# Allegro board PSU-C1.brd (continued)
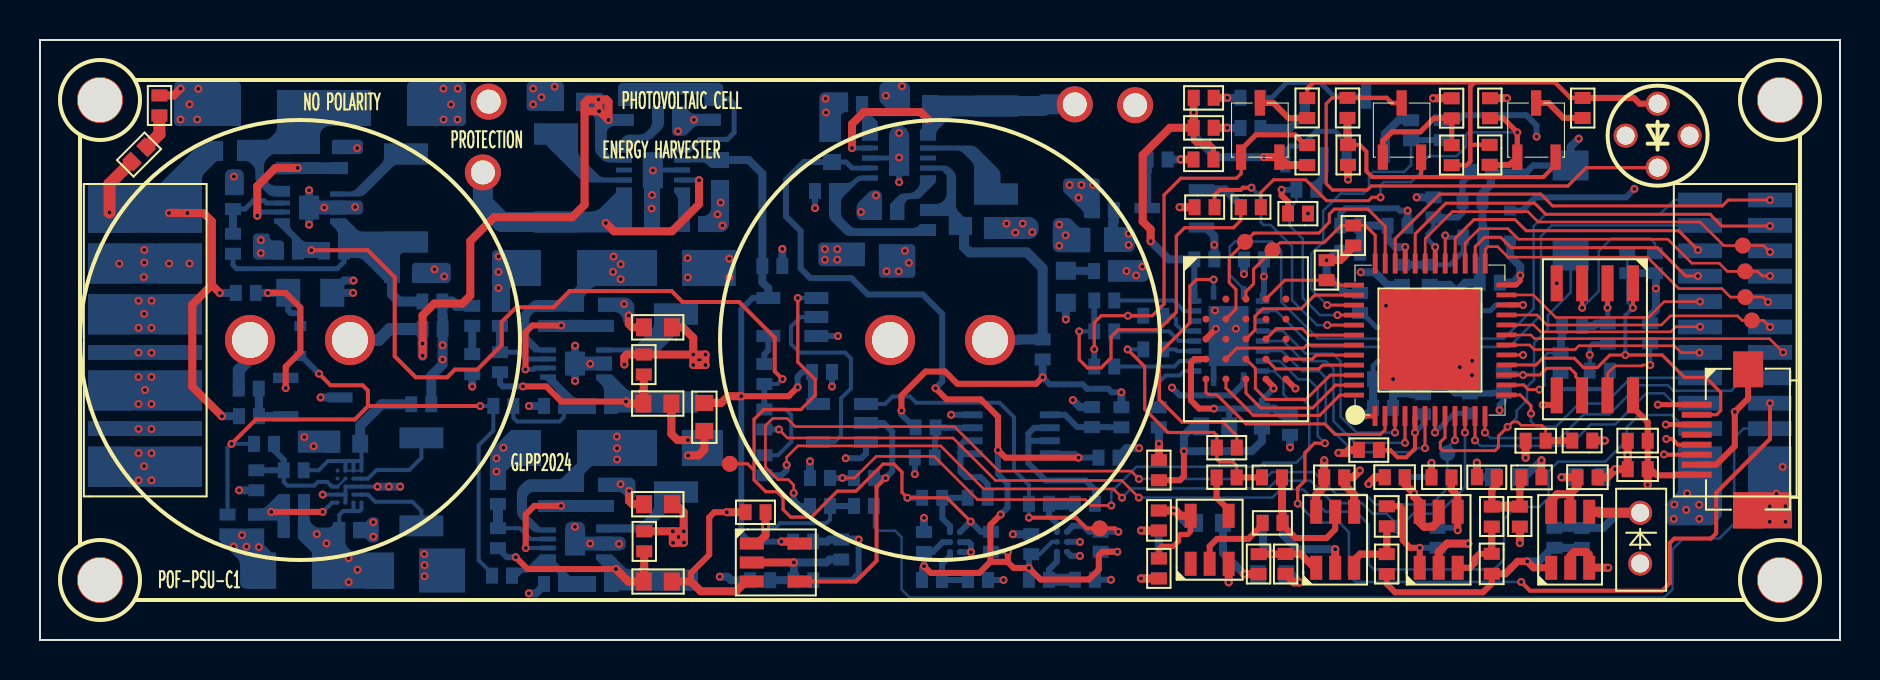
[diagram p0: board, top side]
## Routing (per net, layer and track width the routed paths; a pad name or vN(x,y) marks a point on that pad's centre or on a via; arc(x,y) is an arc through that point) (continued)
RAM_ADQ0: length 7.3
  TOP w0.15: U2.46 64.52,13.25 63.3,12.03 61.32,12.03 60.77,12.57 60.77,13.57 U1.D3
RAM_ADQ1: length 6.7
  TOP w0.15: U1.D2 59.85,14.6 63.19,14.6 63.34,14.75 U2.43
RAM_ADQ2: length 4.8
  TOP w0.15: U2.42 63.43,15.25 63.11,15.57 61.82,15.57 U1.C4
RAM_ADQ3: length 4.7
  TOP w0.15: U1.D4 61.79,13.55 63.94,13.55 64.13,13.75 U2.45
RAM_ADQ4: length 3.5
  TOP w0.15: U1.D5 63.61,14.05 63.81,14.25 U2.44
RAM_ADQ5: length 6.9
  TOP w0.15: U1.E3 60.3,12.34 61.04,11.6 63.63,11.6 64.78,12.75 U2.47
RAM_ADQ6: length 7.8
  TOP w0.15: U2.48 65,12.25 63.98,11.23 60.67,11.23 59.3,12.6 U1.E2
RAM_ADQ7: length 11.3
  TOP w0.15: 67.25,11.2 67.25,10.51 67.02,10.28 64.75,10.28 64.23,10.8 60.3,10.8 58.84,12.27 58.42,12.27 58.3,12.39 U1.E1
RAM_CE: length 10.3
  TOP w0.15: U1.A3 60.3,17.42 60.68,17.8 60.68,18.54 TP7.1 62,19.87 64.2,19.87 65.06,20.73 R14.1 66.27,20.73 66.76,20.23 U2.36
RAM_CLK: length 14.7
  TOP w0.15: U1.B2 59.8,16.55 59.8,17.53 59.46,17.87 59.46,19.12 TP6.1 60.67,20.33 60.69,20.33 60.7,20.35 63.94,20.35 64.28,20.68 64.28,20.7 64.47,20.89 64.47,21.3 64.72,21.54 66.4,21.54 67.26,20.68 U2.35
RAM_DQS: length 6.7
  TOP w0.15: U2.38 63.74,17.25 63.06,16.56 61.13,16.56 60.75,16.18 60.75,15.5 U1.C3
RAM_RST: length 4.9
  TOP w0.15: U2.37 64.87,17.75 64.62,17.99 R15.1 62.24,17.99 U1.A4
SIG_ALIVE: length 33.2
  TOP w0.13: v1(53.56,6.73) 52.56,6.73 52.27,7.02 46.87,7.02 44.71,9.18 41.81,9.18 40.73,8.1 v1(40.12,8.1)
  BOTTOM w0.127: v1(53.56,6.73) 53.56,7.4 54.83,8.66 60.98,8.66 61.19,8.87 62.82,8.87 63.46,9.51 63.46,9.72 63.46,9.72 63.46,10.79 63.46,10.8 63.46,11.71 63.11,12.06 62.39,12.06 62.17,12.27 62.17,12.98 61.71,13.45 U13.9
  BOTTOM w0.3: R92.2 v1(40.12,8.1) R91.1
SPI1_MISO: length 16
  TOP w0.13: U2.25 72.26,19.52 72.41,19.67 72.88,19.67 73.4,19.14 80.37,19.14 81.94,17.57 84.1,17.57 84.52,17.15 TP11.1 86.15,17.15 v1(86.4,16.9)
SPI1_MOSI: length 19.9
  TOP w0.13: U2.31 69.26,20.06 70.61,21.42 74.39,21.42 74.91,20.9 83.01,20.9 84.19,19.72 TP9.1 86.18,19.72 v1(86.5,19.4)
SPI1_NSS: length 13.8
  TOP w0.13: v1(86.5,15.65) 86.17,15.98 TP12.1 85.11,15.98 84.88,16.2 81.52,16.2 81.07,15.75 75.35,15.75 74.85,16.25 U2.21
SPI1_SCK: length 17.6
  TOP w0.13: U2.27 71.26,19.86 71.97,20.56 73.4,20.56 73.92,20.04 81.39,20.04 82.59,18.84 83.96,18.84 84.37,18.43 TP10.1 85.88,18.43 86.11,18.2 v1(86.5,18.2)
  BOTTOM w0.15: J2.4 v1(86.5,18.2)
SPI2_MISO: length 10.5
  TOP w0.127: v1(83,16.92) 81.21,16.92 80.42,16.13 75.79,16.13 74.67,17.25 U2.23
SPI2_MOSI: length 14.5
  TOP w0.15: v1(82.9,19.5) 81.94,20.46 74.31,20.46 73.75,21.02 71.71,21.02 70.76,20.08 U2.28
  BOTTOM w0.15: J2.22 82.94,19.46 v1(82.9,19.5)
SPI2_NSS: length 9.9
  TOP w0.127: U2.20 74.69,15.75 75.03,15.41 81.54,15.41 81.8,15.66 v1(83,15.66)
SPI2_SCK: length 13
  TOP w0.15: v1(82.9,18.2) 82.29,18.2 80.87,19.61 73.56,19.61 73.04,20.13 72.23,20.13 71.76,19.66 U2.26
SPI_VCCIO1: length 10.9
  TOP w0.24: U2.22 v1(74.15,16.75)
  BOTTOM w0.25: C41.1 69.33,15.63 ; 69.33,15.63 71.56,15.63 71.82,15.88 71.82,15.88 C40.1 72.52,16.47 72.8,16.75 v1(74.15,16.75) ; 69.33,15.63 66.83,15.63 66.1,16.35 FB4.2
UV_SHDN: length 31.6
  TOP w0.15: 35.7,8.48 35.37,8.81 TP5.1
  TOP w0.16: v1(37.89,17.1) 37.89,13.89 38.76,13.02 38.76,12.24 38.05,11.52 36.19,11.52 35.7,11.04 35.7,8 36.29,7.41 36.86,7.41 37.16,7.11 37.16,6.52 37.53,6.15 38.57,6.15 39.87,7.44 40.8,7.44 42.15,8.79 42.7,8.79 43.1,8.39 43.1,7.38 v1(43.37,7.11) 45.35,7.11 v1(46.53,5.93)
  BOTTOM w0.2: U12.1 v1(37.89,17.1)
  BOTTOM w0.3: v1(43.37,7.11) R97.2 ; U19.C2 46.3,5.7 46.3,5.71 46.52,5.93 v1(46.53,5.93) 47.04,5.41 R110.1
VCAP: length 75.5
  TOP w0.3: v1(43.07,11.47) 43.07,12.22 44.27,13.42 45.25,13.42 45.87,12.81 49.8,12.81 v1(50.13,13.14)
  TOP w0.4: v1(32.66,14.28) R16.1 29.34,14.28 29.22,14.15 v1(29.22,13.77) ; v1(32.66,14.28) 32.66,15.11 32.14,15.63 C72.1 ; v1(32.66,14.28) v1(32.66,13.75) 33.27,13.75 v1(33.27,13.75) v1(33.27,14.28) v1(32.66,14.28) ; R27.1 v1(31.64,5.44) ; v1(31.64,5.44) 31.64,4.87 v1(31.65,4.86) 32.18,4.86 v1(32.2,4.88) 32.2,5.45 v1(32.19,5.44) ; v1(31.64,5.44) v1(32.19,5.44) ; C73.1 31.79,6.79 32.19,6.39 v1(32.19,5.44)
  VCC w0.4: 33.27,12.63 33.27,10.97 ; 33.27,12.63 v1(33.27,13.75) ; 33.27,12.63 33.06,12.63 32.66,13.03 v1(32.66,13.75) ; 33.27,10.97 35.75,10.97 36.26,11.47 v1(43.07,11.47) ; 33.27,10.97 33.27,7.52 32.19,6.43 ; v1(32.66,13.75) v1(32.66,14.28) v1(33.27,14.28) v1(33.27,13.75) ; v1(32.66,13.75) 33.27,13.75 v1(33.27,13.75) ; 32.19,6.43 32.04,6.43 31.64,6.03 v1(31.64,5.44) ; 32.19,6.43 v1(32.19,5.44) ; v1(31.64,5.44) 31.64,4.87 v1(31.65,4.86) 32.18,4.86 v1(32.2,4.88) 32.2,5.43 v1(32.19,5.44) ; v1(31.64,5.44) v1(32.19,5.44) ; v1(29.22,13.77) 29.22,14.3 26.98,16.54 24.64,16.54 22.85,14.74 21.64,14.74 ; 21.64,14.74 20.92,14.02 v1(20.13,14.02) ; 21.64,14.74 v1(20.13,14.74)
  BOTTOM w0.3: v1(43.07,11.47) 43.07,11.28 43.72,10.63 R86.2 ; v1(50.13,13.14) 50.49,12.78 52.13,12.78 52.35,12.56 53.41,12.56 53.59,12.39 v1(54.07,12.39)
  BOTTOM w0.4: R83.2 v1(54.07,12.39) ; v1(50.13,13.14) R68.2
  BOTTOM w0.5: R61.1 20.81,16.71 20.6,16.92 R56.2 20.12,16.15 20.13,16.14 R63.1 v1(20.13,14.74) v1(20.13,14.02) 20.13,13.78 19.56,13.21 R77.1
VCAP1: length 28.5
  TOP w0.4: v1(27.95,26.44) 27.99,26.44 v1(28.42,26) 28.42,26.92 28.32,27.03 v1(27.93,27.03) ; v1(27.95,26.44) 27.23,26.44 ; v1(27.95,26.44) 27.93,26.46 v1(27.93,27.03) ; v1(27.93,27.03) 27.41,27.03 27.23,26.85 27.23,26.44 ; 27.23,26.44 27.23,21.76 26.61,21.14 22.71,21.14 21.52,19.95 21.52,17.22 21.12,16.82 19.72,16.82 19.13,16.24 v1(19.13,14.82) v1(19.13,14.21)
  BOTTOM w0.5: v1(19.13,14.21) v1(19.13,14.82) R63.2
  BOTTOM w0.6: C1.1 16.94,15 17.49,15.55 R63.2
VCAP2: length 11.6
  BOTTOM w0.5: C29.1 46.2,19.65 46.47,19.38 49.34,19.38 50.13,18.59 R68.1 48.96,15.03 48.94,15 C2.1
N478267: length 13
  TOP w0.4: v1(28.29,20.85) 28.7,20.44 31.6,20.44 32.95,21.79 v1(32.95,22.99)
  BOTTOM w0.25: U10.4 32.94,23 v1(32.95,22.99)
  BOTTOM w1: TP4.1 22.14,21.85 23.09,20.9 L3.1
N478345: length 5.6
  BOTTOM w0.15: 33.67,27.05 R34.1
  BOTTOM w0.25: 33.67,27.05 34.47,27.05 34.71,26.81 34.71,25.37 34.37,25.03 32.99,25.03 32.46,24.5 U10.1
N485107: length 10.3
  TOP w0.4: v1(40.6,24.6) 40.6,25.8 41.2,26.4 44.03,26.4 v1(44.4,26.02)
  BOTTOM w0.25: U9.4 v1(40.6,24.6)
  BOTTOM w1: TP1.1 50.21,26.78 50.13,26.7 L1.1
N770737: length 10.5
  TOP w0.3: v1(12.29,12.6) 12.29,13.66 13.02,14.4 13.02,16.61 12.28,17.35 v1(11.39,17.35)
  BOTTOM w0.3: D7.2 13.01,16.13 13,16.14 13,16.23 12.88,16.35 12.54,16.35 12.41,16.48 C39.2 ; Q7.2 v1(12.29,12.6)
  BOTTOM w0.4: R54.1 v1(11.39,17.35) 11.63,17.35 11.63,17.36 C39.2
N781893: length 9.5
  TOP w0.3: v1(23.79,4.14) 24.38,3.55 v1(28.79,3.55)
  TOP w0.4: R27.2 30.21,3.58 30.19,3.56 C14.1 29.42,2.93 v1(28.79,3.55)
  BOTTOM w0.3: v1(23.79,4.14) 23.35,4.14 R108.2
N782069: length 3.9
  BOTTOM w0.2: R108.1 23.98,5.59 24.52,5.05 U20.7
  BOTTOM w0.5: R94.2 R108.1
N782153: length 4.7
  TOP w0.3: v1(26.05,6.71) 24.72,6.71 24.29,6.28 v1(24.29,4.6)
  BOTTOM w0.2: U20.6 v1(24.29,4.6)
N796763: length 3.5
  TOP w0.3: v1(11.56,6.4) v1(14.14,6.4)
  BOTTOM w0.2: v1(14.14,6.4) 14.6,6.87 U17.D5
N813698: length 9.5
  BOTTOM w0.25: R49.2 15.2,18.91 14.86,18.56 9.83,18.56 9.65,18.74 R48.2
  BOTTOM w0.5: C36.1 17.6,17.28 17.96,16.92 R56.1
N813884: length 3.9
  BOTTOM w0.25: R44.2 10.25,21.55 10.67,21.97 11.2,21.97 11.32,21.85 U11.7
  BOTTOM w0.4: R48.1 R44.2
N813992: length 40.5
  TOP w0.2: v1(13.56,19.49) 16.38,19.49 17.74,18.13 17.74,14.19 18.79,13.14 20.36,13.14 20.74,13.52 21.86,13.52 23.08,14.74 23.08,15.9 23.82,16.64 25.67,16.64 26.48,17.45 31.58,17.45 32.13,16.9 34.95,16.9 36.74,15.12 36.74,13.43 v1(37.12,13.05)
  BOTTOM w0.2: R73.1 36.88,12.8 v1(37.12,13.05) ; R89.2 36.9,9.24 37.56,9.9 37.56,11.25 37.29,11.53 R85.2
  BOTTOM w0.3: R85.2 R73.1
N814000: length 5.2
  TOP w0.4: v1(12.88,23.6) 11.77,23.6 10.86,22.7 v1(10.86,21.22)
  BOTTOM w0.25: v1(10.86,21.22) 11.05,21.4 U11.6
N816273: length 9.6
  TOP w0.3: v1(29.3,11.92) 26.07,11.92 25.31,12.68 v1(24.15,12.68)
  TOP w0.4: v1(29.3,11.92) 29.4,11.82 C3.1 30.17,12.46 30.19,12.48 R16.2
  BOTTOM w0.3: v1(24.15,12.68) 23.14,12.68 23,12.82 R69.2
N816459: length 3.9
  BOTTOM w0.25: R69.1 23.94,14.39 24.29,14.05 U14.7
  BOTTOM w0.4: R60.2 R69.1
N816583: length 3.8
  BOTTOM w0.2: R79.2 26.2,11.15 25.98,10.93 23.85,10.93 23.67,11.11 R80.2
N816591: length 4.9
  TOP w0.3: v1(26.06,15.73) 24.62,15.73 24.27,15.38 v1(24.27,13.54)
  BOTTOM w0.25: v1(24.27,13.54) 24.68,13.54 24.74,13.6 U14.6
N821854: length 3.4
  BOTTOM w0.3: U16.3 45.27,10.61 45.26,10.63 R86.1 44.78,10.05 44.74,10.02 R88.2
N821870: length 4.9
  BOTTOM w0.3: R98.2 47.38,7.78 47.02,8.14 46.29,8.14 46.02,8.41 46.02,9.31 ; 46.02,9.31 46.02,9.76 46.23,9.96 46.63,9.96 ; 46.02,9.31 U16.1
N822032: length 3.8
  BOTTOM w0.3: 50.49,11.26 51.25,11.26 51.86,10.65 R84.2 53.38,10.65 53.39,10.64 R83.1
N822044: length 8.3
  BOTTOM w0.3: 49.42,9.96 49.42,10.32 49.71,10.61 U16.6 ; 49.42,9.96 49.42,8.84 50.28,7.98 52.28,7.98 52.75,7.51 R100.2 ; 49.42,9.96 50.49,9.96
N823149: length 2.9
  BOTTOM w0.3: C66.2 R113.2 45.1,3.8 45.5,4.2 U19.A1
N823315: length 3.1
  BOTTOM w0.12: R97.1 45.12,7.11
  BOTTOM w0.3: U19.C1 45.5,5.7 45.12,6.08 45.12,7.11 R98.1
N824564: length 2.9
  BOTTOM w0.3: U18.A1 50.85,3.92 50.45,3.52 R112.2
  BOTTOM w0.6: C65.2 R112.2
N824724: length 2.9
  BOTTOM w0.3: R99.1 50.45,6.22 50.85,5.82 U18.C1
  BOTTOM w0.6: R99.1 R100.1
N834143: length 1.4
  BOTTOM w0.4: R61.2 D8.2
N943794: length 13
  TOP w0.3: R30.1 67.33,3.29 67.33,2.81 67.75,2.39 72.15,2.39 72.59,2.82 C13.2
  TOP w0.36: C13.2 73.27,3.31 73.53,3.57 73.53,3.57 73.88,3.93 v1(74.36,3.93) 74.68,3.61 U7.1
  BOTTOM w0.4: v1(74.36,3.93) 74.94,3.93 75.62,4.61 R106.1 76.31,4.61 76.31,4.6 C58.1
N943802: length 7.2
  TOP w0.5: U7.4 77.95,6.41 78,6.36 PD1.1
  BOTTOM w0.4: PD1.1 79.22,6.36 79.22,6.37 78.92,6.37 78.16,5.6 C58.2 76.5,5.6 76.5,5.61 R106.2
N950023: length 3.5
  TOP w0.3: U6.3 71.5,3.61 71.75,3.85 71.75,4.09 71.97,4.31 C13.1
  TOP w0.36: C13.1 72.59,5.18 72.59,5.18 R24.1
N950397: length 4.5
  TOP w0.36: R24.2 72.59,7.5 72.84,7.75 R22.1 ; C9.1 74.07,7.77 73.99,7.69 R25.2
  TOP w0.5: R24.2 R25.2
N953049: length 3.8
  TOP w0.36: R21.2 70.57,7.53 70.89,7.22 U6.4 v1(70.89,5.48)
  BOTTOM w0.3: v1(70.89,5.48) 70.76,5.61 R107.2
N953845: length 5.3
  TOP w0.3: C11.1 68,6.68 68.14,6.55 68.14,4.98 68.51,4.61 v1(68.99,4.61) 68.99,4.61 U6.1
  BOTTOM w0.3: v1(68.99,4.61) R107.1
N953940: length 2.6
  TOP w0.36: R21.1 v1(69.57,8.86)
  BOTTOM w0.3: v1(69.57,8.86) 69.57,8.38 69.35,8.15 C53.2
N955969: length 6.3
  TOP w0.3: U5.5 64.76,5.54 64.33,5.1 62.79,5.1 62.12,5.76 R26.1
  TOP w0.4: R26.1 62.12,6.45 62.1,6.47 R20.2
N957540: length 3.5
  TOP w0.36: U5.3 65.71,3.99 66.01,4.29 R30.2 C11.2
N961187: length 4.9
  TOP w0.36: R28.2 v1(61.6,4.29) 62.27,4.29 R29.1 63.03,4.3 63.72,3.61 U5.1
  BOTTOM w0.4: v1(61.6,4.29) 61.15,4.75 C56.2
N964994: length 2.2
  TOP w0.3: R19.1 58.83,7.11 59.43,6.51 U4.4
N979764: length 11
  BOTTOM w0.2: U15.4 39.73,9.9 40.05,10.22 40.05,12.08 40.54,12.58 40.54,14.08 40.26,14.37 37.98,14.37 37.55,14.8 37.55,15.67 38.03,16.15 U12.2
N1004009: length 4.5
  BOTTOM w0.2: U17.B4 U17.A4 16.4,7.27 16.76,6.91 18.62,6.91 19.07,6.46 L12.2
N1004026: length 4.8
  BOTTOM w0.2: L12.1 19.07,9.11 18.47,8.5 16.84,8.5 16.4,8.07 U17.A2 U17.B2
N1004475: length 10.1
  BOTTOM w0.1: U17.A1 U17.B1 U17.C1
  BOTTOM w0.2: 16.07,8.95 16.07,9.75 C49.1 ; 16.07,8.95 15.67,8.95 ; 16.07,8.95 U17.A1 ; R90.2 13.93,8.49 14.4,8.95 15.27,8.95 ; 15.67,8.95 15.67,8.95 15.27,8.95 ; 15.67,8.95 U17.B1 ; 15.27,8.95 U17.C1
  BOTTOM w0.5: R77.2 17.08,11.79 16.01,10.71 C49.1
N1017996: length 7
  BOTTOM w0.125: U17.C2 U17.D3
  BOTTOM w0.2: R90.1 12.19,7.91 12.37,7.72 13.72,7.72 13.9,7.9 14.37,7.9 14.6,7.67 U17.D3
  BOTTOM w0.3: R87.2 11.7,9.49 12.19,9.01 R90.1 11.61,8.49 11.61,8.49 R93.1
N1037075: length 1.9
  TOP w0.6: R6.1 5.97,25.3 D2.2
N1039072: length 13.1
  TOP w0.2: v1(42.28,8.1) 41.83,7.65 41.83,3.96 40.79,2.93 U8.4
  BOTTOM w0.3: R91.2 v1(42.28,8.1) 42.61,8.44 42.61,10.41 42.18,10.85 U15.2
N1041065: length 1.8
  TOP w0.4: R31.1 v1(55.05,3.07)
  BOTTOM w0.4: v1(55.05,3.07) 55.05,3.09 D9.2
N1042429: length 2.7
  BOTTOM w0.4: R75.2 10.94,11.99 10.95,11.98 R81.1 11.47,11.19 11.47,11.19 Q7.1
N1120153: length 2.7
  TOP w0.3: Q1.3 61.67,26.85 62.43,26.1 R1.1
N1120157: length 24.6
  TOP w0.22: 71.51,24.76 71.51,23.93 71.33,23.74 R10.1 ; 71.51,24.76 71.51,27.67 71.73,27.89 ; 71.51,24.76 R9.1 ; 71.73,27.89 75.74,27.89 76.53,27.1 R4.1 ; 71.73,27.89 63.68,27.89 63.36,27.57 R1.2
  TOP w0.3: R4.1 79.69,27.1 79.98,26.82 LD1.1
N1120293: length 25.2
  TOP w0.16: R2.1 64.6,27.11 64.31,26.81 64.31,22.82 64.63,22.5 66.37,22.5 66.57,22.7 76.39,22.7 77.31,23.62 LD1.2
  TOP w0.22: R2.1 67.33,27.11 67.59,26.85 Q2.3
N1120309: length 21.1
  TOP w0.15: R12.2 61.04,22.38 61.67,23.01 63.28,23.01 64.33,21.97 66.42,21.97 66.59,22.13 v1(67.02,22.13)
  TOP w0.26: Q3.1 v1(73.87,25.38) 73.16,26.09 R3.1
  TOP w0.3: Q3.1 73.48,23.76 R9.2
  BOTTOM w0.13: v1(73.87,25.38) 71.42,25.38 71.3,25.26 71.3,24.66 70.83,24.19 69.43,24.19 69.2,23.96 69.2,23.54 68.55,22.89 67.2,22.89 67.02,22.72 v1(67.02,22.13)
N1120313: length 2.6
  TOP w0.3: Q3.3 75.43,26.85 76.18,26.1 R4.2
N1120345: length 6.1
  TOP w0.26: R10.2 R5.1 69.69,26.09 69.02,25.41 67.6,25.41 67.14,24.95 Q2.1 67.14,24.14
N1120473: length 14.6
  TOP w0.2: 69.06,23.15 66.61,23.15 66.32,23.44 66.32,24.43 65.99,24.76 R8.1 ; 69.06,23.15 Q2.2 ; 69.06,23.15 75.17,23.15 75.78,23.76 Q3.2
  TOP w0.4: R2.2 65.37,25.27 65.4,25.25 R8.1
N1122138: length 4.1
  TOP w0.3: R26.2 61.12,5.76 60.42,5.05 58.85,5.05 58.48,4.69 U4.2
N1125946: length 4.8
  TOP w0.2: FB1.1 67.51,9.5 67.88,9.14 68.31,9.14 68.75,9.57 v1(68.75,10.37)
  TOP w0.24: 68.75,11.2 v1(68.75,10.37)
  BOTTOM w0.25: C45.1 69.15,10.78 v1(68.75,10.37)
N1126010: length 6.3
  TOP w0.24: U2.30 v1(69.76,19.65)
  BOTTOM w0.24: v1(69.76,19.65) 69.39,20.02 69.39,20.3 69.68,20.59 FB2.1
  BOTTOM w0.32: FB2.1 70.89,21.13 71.12,21.37 C24.1 71.12,22.89 71.55,23.32 C22.1
N1126482: length 6.4
  TOP w0.15: U2.29 v1(70.26,20.23)
  BOTTOM w0.24: C37.1 70.5,18.76 71.16,19.43 C30.1 70.36,20.13 v1(70.26,20.23)
  BOTTOM w0.4: R53.1 68.68,18.76 68.68,18.76 C37.1
N1126654: length 4.2
  TOP w0.24: v1(74.01,18.23) 74.01,17.95 73.81,17.75 U2.24
  BOTTOM w0.4: C38.1 73.64,17.87 v1(74.01,18.23) 74.01,18.68 73.5,19.19 D6.1
N1128601: length 10.8
  TOP w0.3: v1(61.68,12.58) 61.68,12.66 U1.E4 ; v1(58.7,11.57) 57.95,11.57 57.55,11.98 57.55,13.87 57.72,14.05 U1.D1
  BOTTOM w0.3: 59.72,11.57 C47.1 61.09,11.99 v1(61.68,12.58) ; 59.72,11.57 v1(58.7,11.57) ; 59.72,11.57 59.46,11.32 C48.1
  BOTTOM w0.4: C47.1 61.73,11.57 62.05,11.26 L11.1
N1140972: length 6.6
  TOP w0.4: U8.2 v1(37.7,3.88)
  BOTTOM w0.4: R115.1 R114.2 37.7,3.02 v1(37.7,3.88) 39.33,3.88 39.47,4.02 C62.2
N1147788: length 1.3
  TOP w0.4: D4.1 57.67,24.03 v1(57.04,24.03)
  BOTTOM w0.4: R41.2 v1(57.04,24.03)
N1147792: length 1.3
  TOP w0.4: D3.1 v1(59.36,25.61)
  BOTTOM w0.4: R36.2 59.38,25.6 v1(59.36,25.61)
N1147796: length 1.3
  TOP w0.4: D1.1 v1(59.36,27.11)
  BOTTOM w0.4: R32.2 v1(59.36,27.11)
N1147848: length 2.4
  BOTTOM w0.4: R41.1 55.38,23.45 55.36,23.43 Q6.3
N1147852: length 2.9
  BOTTOM w0.4: 63.24,26.72 63.24,26.34 62.5,25.6 R36.1
N1147856: length 5.9
  BOTTOM w0.25: R32.1 61.58,27.11 62.34,27.88 64.01,27.88 64.69,27.2 Q4.3
N1147930: length 2.4
  BOTTOM w0.4: Q6.1 59.24,22.54 60.05,21.73 R45.2
N1147938: length 1.6
  BOTTOM w0.4: R42.2 63.82,22.76 64.18,23.12 Q5.1
N1147946: length 2.4
  BOTTOM w0.4: Q4.1 67.25,25.31 67.92,25.99 R38.2
N1161020: length 7.3
  TOP w0.4: U8.1 35.88,4.83 36.28,5.23 v1(36.28,5.68) R23.1
  BOTTOM w0.2: R101.1 39.5,6.02 39.32,5.84 36.99,5.84 36.83,5.68 v1(36.28,5.68)
  BOTTOM w0.3: R102.1 R101.1
N1166384: length 1.7
  TOP w0.4: D5.2 v1(55.95,9.81)
  BOTTOM w0.4: R82.1 55.95,10.63 v1(55.95,9.81)
N1166403: length 3.3
  BOTTOM w0.2: U13.12 57.2,13.45 56.98,13.23 56.29,13.23 55.94,12.88 R82.2
N1222301: length 4.2
  BOTTOM w0.2: R55.1 56.67,16.98 57.2,16.45 U13.18
N1222674: length 4.2
  BOTTOM w0.2: U13.15 57.2,14.95 57.2,14.96 56.94,14.96 56.46,15.43 R64.1
N1238224: length 13.5
  TOP w0.16: R18.1 59.84,10.21 59.16,10.89 57.1,10.89 55.98,12.01 55.98,14.34 57.49,15.86 57.49,17.7 57.82,18.02 v1(58.68,18.02)
  BOTTOM w0.2: v1(58.68,18.02) 58.68,17.36 U13.20
N1238285: length 1.6
  BOTTOM w0.2: R67.1 56.78,14.53 56.87,14.45 U13.14
N1238401: length 2
  BOTTOM w0.2: R57.1 56.65,16.21 56.81,16.06 56.81,15.77 57.13,15.45 U13.16
N1243370: length 4.1
  BOTTOM w0.2: R71.1 56.72,13.68 56.99,13.95 U13.13

## Copper pours and planes (outline as drawn; the poured copper is in the pictures)
GND on TOP (solid shape): 87.6,5.58 84.66,5.58 84.66,7.38 87.6,7.38
GND on BOTTOM (solid shape): 8.1,17.82 2.4,17.82 2.4,19.83 8.1,19.83
GND on BOTTOM (solid shape): 8.1,14.01 2.4,14.01 2.4,14.75 8.1,14.75
GND on BOTTOM (solid shape): 8.1,10.2 2.4,10.2 2.4,10.94 8.1,10.94
GND on BOTTOM (solid shape): 15.01,9.36 12.89,9.36 12.89,10.47 15.01,10.47
GND on BOTTOM (solid shape): 21.25,2.37 18.95,2.37 18.95,4.58 21.25,4.58
GND on BOTTOM (solid shape): 28.6,13.48 26.25,13.48 26.25,14.18 28.6,14.18
GND on BOTTOM (solid shape): 34.15,8.7 32.09,8.7 32.09,10.5 34.15,10.5
GND on BOTTOM (solid shape): 34.79,17.7 32.1,17.7 32.1,19.5 34.79,19.5
GND on BOTTOM (solid shape): 31,23.62 32.5,23.62 32.5,23.38 31,23.38 31,20.35 30.2,20.35 30.2,24.38 31,24.38
GND on BOTTOM (solid shape): 25.05,17.7 23.7,17.7 23.56,17.64 23.5,17.5 23.5,16.4 22.6,16.4 22.6,19.3 22.66,19.44 22.8,19.5 25.05,19.5
GND on BOTTOM (solid shape): 25.05,8.7 23.63,8.7 23.56,8.68 23.49,8.64 23.35,8.5 23.31,8.44 23.3,8.36 23.3,7.5 22.5,7.5 22.5,9.24 22.53,9.43 22.64,9.59 23.55,10.5 25.05,10.5
GND on BOTTOM (solid shape): 40.4,26.39 40.3,26.39 40.12,26.32 40.05,26.14 40.05,24.9 38.97,24.9 38.97,27.13 39.04,27.31 39.22,27.38 40.4,27.38
GND on BOTTOM (solid shape): 34.45,20.8 34.33,20.52 34.05,20.4 32.9,20.4 32.9,21.2 33.15,21.2 33.43,21.32 33.55,21.6 33.55,23 34.45,23
GND on BOTTOM (solid shape): 29.22,17.13 29.57,16.98 29.72,16.63 29.72,15.9 29.16,15.9 29.16,15.91 29.01,16.26 28.66,16.41 27.9,16.41 27.9,17.13
GND on BOTTOM (solid shape): 42.46,25.22 42.96,25.72 43.46,25.22 43.46,23.22 42.46,23.22 42.46,23.98 41.1,23.98 41.1,24.23 42.46,24.23
GND on BOTTOM (solid shape): 11.21,4.79 11.21,4.76 11.24,4.72 11.56,4.4 11.6,4.38 11.63,4.37 11.8,4.37 11.8,2.57 10.3,2.57 10.09,2.66 10,2.87 10,3.74 9.97,3.93 9.86,4.09 8.98,4.97 8.98,5.57 11.21,5.57
GND on BOTTOM (solid shape): 32.48,26.43 32.61,26.34 32.76,26.31 34.03,26.31 34.03,25.71 32.94,25.71 32.79,25.68 32.66,25.59 32.39,25.32 32.26,25.24 32.11,25.21 31.8,25.21 31.66,25.27 31.6,25.41 31.6,26.7 32.21,26.7
GND on GND: 4.99,27.52 4.8,28 85.2,28 85.04,27.55 84.99,27.08 85.6,25.6 87.08,24.99 87.55,25.04 88,25.2 88,4.8 87.54,4.97 87.06,5.02 85.59,4.41 84.98,2.94 85.03,2.46 85.2,2 4.8,2 4.48,4.48 2,4.8 2,25.2 2.48,25.01 3,24.94 4.46,25.54 5.06,27 ; 1 cut-out
P1V2 on VCC: 68.58,22.42 69.29,22.42 70.06,21.65 70.06,21.07 65.45,16.46 65.4,16.38 65.38,16.29 65.38,9.55 65.01,9.18 64.71,9.18 64.48,9.41 64.48,12.55 64.46,12.65 64.41,12.73 62.73,14.41 62.73,18.31 62.71,18.41 62.65,18.49 62.32,18.82 62.24,18.87 62.14,18.89 58.16,18.89 58.06,18.87 57.98,18.82 57.23,18.07 54.42,18.07 54.18,18.31 54.18,18.71 54.48,19.01 55.5,19.01 55.6,19.03 55.68,19.09 56.55,19.96 61.81,19.96 63.49,18.28 63.57,18.23 63.67,18.21 65.38,18.21 65.48,18.23 65.56,18.28 66.19,18.91 66.24,18.99 66.26,19.09 66.26,19.76 66.25,19.82 66.23,19.88 66.23,20.07
P1V80 on VCC: 60.59,25.53 74.84,25.53 74.97,25.39 74.97,22.14 74.99,22.04 75.05,21.96 76.7,20.3 76.79,20.25 76.88,20.23 83.16,20.23 83.85,19.54 83.85,15.38 83.84,15.35 83.84,15.31 83.84,9.89 82.54,8.59 79.79,8.59 79.69,8.57 79.61,8.51 78.73,7.64 77.42,7.64 77.42,8.95 77.41,9.05 77.35,9.13 76.86,9.62 76.78,9.68 76.68,9.7 65.89,9.7 65.89,16.18 70.49,20.78 70.54,20.86 70.56,20.96 70.56,21.76 70.54,21.85 70.49,21.93 69.57,22.85 69.49,22.91 69.39,22.93 68.47,22.93 68.38,22.91 68.29,22.85 65.8,20.35 65.74,20.27 65.72,20.18 65.72,19.79 65.73,19.72 65.75,19.66 65.75,19.2 65.27,18.72 63.77,18.72 62.09,20.39 62.01,20.45 61.91,20.47 56.44,20.47 56.35,20.45 56.26,20.39 55.39,19.52 54.4,19.52 54.28,19.52 54.1,19.45 54.02,19.27 53.75,19 53.69,18.91 53.67,18.82 53.67,18.2 53.69,18.1 53.75,18.02 54.13,17.64 54.21,17.58 54.31,17.56 57.33,17.56 57.43,17.58 57.51,17.64 58.26,18.38 62.04,18.38 62.22,18.2 62.22,14.31 62.24,14.21 62.29,14.13 63.98,12.44 63.98,9.41 63.62,9.05 54.57,9.05 52.28,11.35 52.28,16.55 52.3,16.65 52.28,16.74 52.28,20.88 52.26,20.98 52.21,21.06 51.03,22.24 51.03,23.3 51.33,23.6 53.84,23.6 54.11,23.33 54.19,23.28 54.29,23.26 58.21,23.26 58.31,23.28 58.39,23.33 ; 3 cut-outs
LDO22-1 on BOTTOM (solid shape): 34.45,23.6 33.68,23.6 33.53,23.63 33.4,23.72 33.36,23.76 33.23,23.84 33.08,23.88 31.7,23.88 31.7,24.12 32.98,24.12 33.13,24.16 33.26,24.24 33.3,24.28 33.43,24.37 33.59,24.4 34.45,24.4
P1012_PRE on BOTTOM (solid shape): 8.1,7.66 2.4,7.66 2.4,9.67 8.1,9.67
P1012_PRE on BOTTOM (solid shape): 13.48,6.12 13.63,5.77 13.98,5.62 14.41,5.62 14.59,5.7 14.66,5.87 14.66,5.89 15.26,5.89 15.26,4.95 15.3,4.76 15.41,4.6 15.49,4.51 15.65,4.41 15.85,4.37 17.7,4.37 17.7,2.57 13.6,2.57 13.6,4.37 12.9,5.07 12.9,7.29 13.48,7.29
P1012_PRE on VCC: 45.16,16.39 51.77,16.39 51.77,3.12 50.65,2 4.8,2 4.48,4.48 2,4.8 2,10.43 9.85,10.43 11.76,8.51 11.84,8.46 11.94,8.44 27.44,8.44 27.77,8.1 27.85,8.05 27.95,8.03 30.16,8.03 30.16,7.41 30.18,7.31 30.24,7.23 30.71,6.75 30.71,4.48 30.73,4.38 30.79,4.3 31.08,4.01 31.16,3.96 31.25,3.94 32.36,3.94 32.46,3.96 32.54,4.01 34.73,6.2 34.78,6.28 34.8,6.38 34.8,9.24 35.21,9.64 43.33,9.64 43.43,9.66 43.51,9.72 45.08,11.29 45.14,11.37 45.16,11.47 ; 3 cut-outs
P1818_PRE on BOTTOM (solid shape): 8.1,11.47 2.4,11.47 2.4,13.48 8.1,13.48
P1818_PRE on BOTTOM (solid shape): 30.85,8.7 27.72,8.7 27.6,8.68 27.51,8.61 27.29,8.39 27.22,8.3 27.2,8.18 27.2,7.4 24.69,7.4 24.57,7.38 24.48,7.31 24.44,7.27 24.37,7.18 24.35,7.06 24.35,6.51 24.39,6.31 24.5,6.15 25.02,5.62 25.8,5.62 25.8,5.38 24.9,5.38 24.71,5.41 24.55,5.52 23.99,6.08 23.88,6.24 23.84,6.43 23.84,7.33 23.88,7.53 23.99,7.69 24.2,7.9 24.36,8 24.55,8.04 25.92,8.04 26.03,8.07 26.13,8.13 26.85,8.85 26.85,10.5 30.85,10.5
P1818_PRE on VCC: 50.47,21.58 50.57,21.6 50.65,21.65 50.78,21.77 51.77,20.78 51.77,16.9 41.78,16.9 41.68,16.88 41.6,16.83 41.48,16.71 41.46,16.69 40.43,15.66 32.47,15.66 32.37,15.64 32.29,15.59 31.57,14.87 31.51,14.78 31.49,14.69 31.49,9.72 30.31,8.54 28.06,8.54 27.72,8.87 27.64,8.92 27.54,8.94 12.05,8.94 10.13,10.86 10.05,10.91 9.95,10.93 2.08,10.93 2,11.01 2,14.8 7.12,14.8 7.21,14.82 7.29,14.87 9.81,17.38 18.53,17.38 18.53,13.86 18.55,13.76 18.6,13.68 19.27,13.02 19.35,12.96 19.45,12.95 29.7,12.95 29.8,12.96 29.88,13.02 30.11,13.24 30.16,13.33 30.18,13.42 30.18,17.08 31.86,18.76 37.02,18.76 37.82,17.96 37.9,17.9 38,17.88 41.64,17.88 41.85,17.67 41.93,17.62 42.03,17.6 47.58,17.6 47.68,17.62 47.76,17.67 48.74,18.66 48.8,18.74 48.82,18.84 48.82,20.86 48.81,20.89 48.81,20.92 49.46,21.58 ; 1 cut-out
P3333 on BOTTOM (solid shape): 84.1,6.27 84.08,6.2 84.04,6.13 83.7,5.79 83.63,5.75 83.56,5.73 81.56,5.73 81.42,5.79 81.36,5.93 81.36,6.88 81.84,7.36 81.88,7.43 81.9,7.51 81.9,9.67 84.1,9.67
P3333 on VCC: 41.72,28 85.2,28 85.04,27.55 84.99,27.08 85.6,25.6 87.08,24.99 87.55,25.04 88,25.2 88,4.8 87.54,4.97 87.06,5.02 85.59,4.41 84.98,2.94 85.03,2.46 85.2,2 51.37,2 52.21,2.83 52.26,2.92 52.28,3.01 52.28,10.63 54.29,8.62 54.37,8.57 54.47,8.55 63.73,8.55 63.83,8.57 63.91,8.62 64.23,8.94 64.43,8.74 64.51,8.69 64.61,8.67 65.11,8.67 65.21,8.69 65.29,8.74 65.74,9.19 76.58,9.19 76.92,8.85 76.92,7.38 76.99,7.2 77.17,7.13 78.84,7.13 78.94,7.15 79.02,7.2 79.9,8.08 82.64,8.08 82.74,8.1 82.82,8.16 84.27,9.6 84.32,9.69 84.34,9.78 84.34,15.25 84.35,15.28 84.36,15.32 84.36,19.64 84.34,19.74 84.28,19.82 83.44,20.66 83.36,20.72 83.26,20.73 76.99,20.73 75.48,22.24 75.48,25.37 75.5,25.42 75.5,25.48 75.48,25.57 75.43,25.66 75.12,25.96 75.04,26.02 74.94,26.04 60.48,26.04 60.38,26.02 60.3,25.96 58.1,23.77 54.39,23.77 54.12,24.03 54.04,24.09 53.94,24.11 51.23,24.11 51.13,24.09 51.05,24.03 50.6,23.58 50.54,23.5 50.52,23.41 50.52,22.24 50.37,22.09 49.36,22.09 49.26,22.07 49.18,22.01 48.29,21.13 48.24,21.04 48.22,20.95 48.24,20.85 48.29,20.77 48.31,20.75 48.31,18.94 47.47,18.11 42.14,18.11 41.93,18.32 41.84,18.37 41.75,18.39 41.21,18.39 41.75,18.93 41.81,19.01 41.83,19.11 41.83,20.79 41.81,20.89 41.75,20.97 40.81,21.91 40.81,27.09 ; 1 cut-out
P3333_PRE on BOTTOM (solid shape): 8.1,15.28 2.4,15.28 2.4,17.29 8.1,17.29
P3333_PRE on BOTTOM (solid shape): 30.85,17.7 27.85,17.7 27.72,17.67 27.61,17.6 27.3,17.29 27.23,17.18 27.2,17.05 27.2,16.41 24.87,16.41 24.74,16.39 24.63,16.31 24.57,16.25 24.49,16.14 24.46,16.01 24.46,15.16 25,14.62 25.8,14.62 25.8,14.38 24.71,14.38 24.05,15.03 24.05,16.24 24.08,16.37 24.15,16.48 24.57,16.9 24.68,16.97 24.82,17 26,17 26.14,17.03 26.25,17.1 26.85,17.7 26.85,19.5 30.85,19.5
P3333_PRE on VCC: 30.99,21.55 40.45,21.55 41.32,20.68 41.32,19.22 40.49,18.39 38.11,18.39 37.31,19.19 37.23,19.24 37.13,19.26 31.75,19.26 31.65,19.24 31.57,19.19 29.82,17.44 27.77,17.44 26.41,18.79 26.33,18.85 26.23,18.87 23.98,18.87 23.88,18.85 23.8,18.79 22.9,17.89 9.7,17.89 9.6,17.87 9.52,17.82 7.01,15.31 2,15.31 2,17.34 6.45,17.34 6.55,17.36 6.63,17.42 10.45,21.23 26.34,21.23 27.33,20.23 27.42,20.18 27.51,20.16 29.49,20.16 29.59,20.18 29.67,20.23 ; 1 cut-out
P5050 on BOTTOM (solid shape): 9.15,23.95 8.88,23.95 8.85,23.94 8.81,23.92 8.25,23.36 8.14,23.19 8.1,23 8.1,20.36 2.4,20.36 2.4,22.75 5.73,22.75 5.92,22.79 6.09,22.9 8,24.81 8.16,24.91 8.35,24.95 9.15,24.95
P5050 on VCC: 4.99,27.52 4.8,28 41,28 40.38,27.38 40.32,27.29 40.3,27.2 40.3,22.06 30.88,22.06 30.79,22.04 30.7,21.99 29.39,20.67 27.62,20.67 26.62,21.67 26.54,21.72 26.44,21.74 10.34,21.74 10.24,21.72 10.16,21.67 6.34,17.85 2,17.85 2,25.2 2.48,25.01 3,24.94 4.46,25.54 5.06,27
VCAP on VCC: 24.09,18.36 26.13,18.36 27.48,17.01 27.56,16.95 27.66,16.93 29.67,16.93 29.67,13.53 29.6,13.45 19.55,13.45 19.04,13.97 19.04,17.38 23.01,17.38 23.1,17.4 23.19,17.46
VCAP on VCC: 41.88,16.39 44.65,16.39 44.65,11.58 43.22,10.15 35.1,10.15 35,10.13 34.92,10.07 34.37,9.52 34.31,9.44 34.3,9.34 34.3,6.49 32.26,4.45 31.36,4.45 31.22,4.58 31.22,6.86 31.2,6.95 31.15,7.04 30.67,7.51 30.67,8.18 31.93,9.43 31.98,9.52 32,9.61 32,14.58 32.58,15.16 40.41,15.16 40.46,15.14 40.52,15.13 40.61,15.15 40.7,15.21 41.83,16.35
VCAP1 on BOTTOM (solid shape): 27.97,27.36 28.19,27.27 28.27,27.05 28.27,26.66 28.29,26.59 28.33,26.52 28.5,26.36 28.56,26.32 28.64,26.3 29.7,26.3 29.7,25.7 28.69,25.7 28.57,25.68 28.48,25.61 28.42,25.56 28.36,25.46 28.34,25.35 28.34,24.53 28.36,24.42 28.42,24.32 28.53,24.21 28.63,24.15 28.74,24.12 29.6,24.12 29.6,23.88 28.45,23.88 28.26,23.91 28.1,24.02 27.9,24.22 27.79,24.39 27.75,24.58 27.75,25.97 27.73,26.08 27.66,26.18 27.45,26.4 27.38,26.44 27.31,26.45 26.8,26.45 26.8,27.36
VCAP2 on BOTTOM (solid shape): 45.19,23.73 45.38,23.69 45.54,23.58 45.66,23.46 45.76,23.3 45.8,23.11 45.8,21.76 45.84,21.57 45.95,21.4 46.2,21.15 46.6,21.15 46.6,20.25 45.44,20.25 45.44,21.2 44,21.2 44,21.8 44.8,21.8 44.99,21.84 45.15,21.95 45.19,21.98 45.29,22.14 45.33,22.34 45.33,23.23 45.1,23.47 44,23.47 44,23.73
N478267 on BOTTOM (solid shape): 29.6,20.38 24.7,20.38 24.7,21.43 27.52,21.43 27.82,21.49 28.08,21.66 28.8,22.38 28.8,22.62 29.6,22.62
N478271 on BOTTOM (solid shape): 26.9,24.48 26.94,24.29 27.05,24.13 27.9,23.27 28.06,23.16 28.26,23.12 29.6,23.12 29.6,22.88 27.5,22.88 27.2,22.94 26.94,23.11 25.27,24.77 24.7,24.77 24.7,25.82 26.9,25.82
N478369 on BOTTOM (solid shape): 32.5,20.4 31.9,20.4 31.9,21.97 31.86,22.16 31.75,22.32 31.7,22.37 31.7,22.62 31.7,22.62 32.5,22.62
N478385 on BOTTOM (solid shape): 31.2,25.87 31.16,25.67 31.05,25.51 30.67,25.13 30.51,25.02 30.32,24.98 30.17,24.98 29.97,24.95 29.81,24.84 29.6,24.62 29.6,24.38 28.8,24.38 28.8,24.58 28.84,24.77 28.95,24.93 29.14,25.12 29.3,25.23 29.49,25.27 29.96,25.27 30.16,25.31 30.32,25.42 30.45,25.55 30.56,25.71 30.6,25.91 30.6,26.7 31.2,26.7
N485107 on BOTTOM (solid shape): 48.9,26.18 45.76,26.18 45.57,26.14 45.4,26.03 44.95,25.57 44.84,25.41 44.8,25.22 44.8,24.98 44,24.98 44,25.45 44.01,25.49 44.03,25.52 44.07,25.56 44.09,25.6 44.1,25.64 44.1,27.23 48.9,27.23
N485115 on BOTTOM (solid shape): 46.52,24.73 46.72,24.69 46.88,24.58 47.88,23.58 47.99,23.41 48.03,23.22 48.03,22.82 48.9,22.82 48.9,21.77 46.7,21.77 46.7,23.6 46.66,23.79 46.55,23.95 46.18,24.33 46.02,24.44 45.82,24.48 44,24.48 44,24.73
N485373 on BOTTOM (solid shape): 41.9,22.98 41.18,22.98 40.99,22.94 40.83,22.83 40.2,22.2 40.09,22.03 40.05,21.84 40.05,21.38 40.09,21.19 40.2,21.03 40.49,20.74 40.65,20.63 40.84,20.59 43.58,20.59 43.77,20.63 43.94,20.74 44,20.8 44.8,20.8 44.8,20.2 40.53,20.2 40.34,20.24 40.18,20.35 39.6,20.93 39.49,21.09 39.45,21.28 39.45,22.85 40.3,22.85 40.5,22.89 40.66,23 40.74,23.08 40.9,23.19 41.1,23.23 41.9,23.23
N485445 on BOTTOM (solid shape): 41.4,26.52 41.43,26.4 41.49,26.31 41.81,25.99 41.88,25.89 41.9,25.77 41.9,24.98 41.1,24.98 41.1,25.97 41.08,26.09 41.01,26.19 40.8,26.39 40.8,27.2 41.4,27.2
N485483 on BOTTOM (solid shape): 44.8,22.88 44.05,22.14 43.95,22.07 43.84,22.05 43.55,22.05 43.44,22.03 43.34,21.96 43.31,21.93 43.25,21.83 43.23,21.72 43.23,21 43.22,20.99 43.1,20.99 43.1,21 42.5,21 42.5,21.8 42.89,22.19 43.05,22.3 43.24,22.34 43.42,22.34 43.62,22.38 43.78,22.48 43.85,22.56 43.96,22.72 44,22.91 44,23.23 44.8,23.23
N781893 on BOTTOM (solid shape): 29.2,3.67 29.37,3.56 29.56,3.52 32.9,3.52 32.9,2.48 28.99,2.48 28.91,2.4 28.2,2.4 28.2,3.41 28.16,3.6 28.05,3.77 27.8,4.02 27.8,4.27 28.6,4.27
N781901 on BOTTOM (solid shape): 32.9,6.88 31.8,6.88 30.45,5.52 30.28,5.41 30.09,5.38 27.8,5.38 27.8,5.78 29.76,5.78 29.95,5.82 30.12,5.93 30.55,6.37 30.66,6.53 30.7,6.72 30.7,7.93 32.9,7.93
N782145 on BOTTOM (solid shape): 25.8,3.9 26.5,3.2 27.8,3.2 27.8,2.4 25.9,2.4 25.9,3.21 25.88,3.32 25.81,3.42 25.72,3.51 25.62,3.58 25.51,3.6 24.82,3.6 24.71,3.58 24.61,3.51 24.55,3.46 24.46,3.39 24.34,3.37 24.13,3.37 23.9,3.14 23.9,2.82 23.3,2.82 23.3,3.62 24.22,3.62 24.34,3.64 24.43,3.71 25,4.27 25.8,4.27
N782153 on BOTTOM (solid shape): 28.7,6.4 24.9,6.4 24.9,7 24.9,7 28.7,7
N796763 on BOTTOM (solid shape): 12.5,6.49 12.48,6.47 12.48,5.1 11.88,5.1 11.88,5.9 11.84,5.94 11.81,5.96 11.77,5.97 10.41,5.97 10.41,6.57 11,6.57 11.19,6.61 11.35,6.72 11.9,7.27 11.9,7.29 12.5,7.29
N813698 on BOTTOM (solid shape): 15.8,20.57 15.97,20.46 16.16,20.43 19.4,20.43 19.4,19.38 18.2,19.38 18.06,19.32 18,19.18 18,17.85 17.2,17.85 17.2,17.95 16.2,18.95 16.03,19.06 15.84,19.1 14.9,19.1 14.9,20.22 14.86,20.41 14.75,20.57 14.5,20.82 14.5,21.07 15.3,21.07
N813706 on BOTTOM (solid shape): 19.4,23.77 17.96,23.77 17.77,23.74 17.6,23.63 16.3,22.32 16.13,22.21 15.94,22.18 14.5,22.18 14.5,22.42 15.47,22.43 15.66,22.46 15.82,22.57 17.05,23.8 17.16,23.97 17.2,24.16 17.2,24.82 19.4,24.82
N813852 on BOTTOM (solid shape): 16.55,25.7 14.5,25.7 14.15,25.55 14,25.2 14,24.3 11.81,24.3 11.62,24.26 11.45,24.15 11.35,24.05 11.24,23.88 11.2,23.69 11.2,23.31 11.24,23.12 11.35,22.95 11.44,22.86 11.61,22.75 11.8,22.71 12.5,22.71 12.5,22.18 11.72,22.18 11.53,22.21 11.36,22.32 10.91,22.77 10.81,22.93 10.77,23.13 10.77,23.35 10.77,23.39 10.73,23.58 10.62,23.75 10.56,23.81 10.4,23.91 10.21,23.95 9.85,23.95 9.85,25.01 11.2,25.01 11.39,25.05 11.56,25.16 11.7,25.3 11.81,25.47 11.85,25.66 11.85,27.5 16.55,27.5
N813992 on BOTTOM (solid shape): 12.5,20.77 12.53,20.61 12.62,20.48 13.08,20.02 13.21,19.93 13.37,19.9 14.5,19.9 14.5,19.1 12.6,19.1 12.6,19.95 12.58,20.02 12.54,20.09 11.86,20.77 11.8,20.81 11.72,20.82 11.7,20.82 11.7,21.07 12.5,21.07
N814000 on BOTTOM (solid shape): 15.4,23.3 11.8,23.3 11.8,23.88 15.4,23.88
N816273 on BOTTOM (solid shape): 29.3,12.57 29.47,12.46 29.66,12.43 32.9,12.43 32.9,11.38 28.93,11.38 28.86,11.3 28.2,11.3 28.2,12.42 28.16,12.61 28.05,12.77 27.8,13.02 27.8,13.27 28.6,13.27
N816281 on BOTTOM (solid shape): 32.9,15.78 32.3,15.78 31.05,14.52 30.89,14.41 30.7,14.38 27.8,14.38 27.8,14.62 29.48,14.62 29.67,14.66 29.84,14.77 30.55,15.49 30.66,15.65 30.7,15.84 30.7,16.82 32.9,16.82
N816583 on BOTTOM (solid shape): 25.8,13.02 26.14,12.68 26.15,12.68 26.58,12.25 26.75,12.14 26.94,12.1 27.8,12.1 27.8,11.3 25.9,11.3 25.9,12.16 25.86,12.36 25.75,12.52 25.25,13.02 25,13.02 25,13.27 25.8,13.27
N816591 on BOTTOM (solid shape): 28.7,15.4 24.9,15.4 24.9,16 28.7,16
GND on BOTTOM (solid shape): 15.95,21.98 16.09,21.92 16.15,21.77 16.15,21.48 16.09,21.33 15.95,21.27 12.96,21.27 12.96,21.98
GND on BOTTOM (solid shape): 87.6,5.78 87.54,5.64 87.4,5.58 85.6,5.58 85.46,5.64 85.4,5.78 85.4,9.67 87.6,9.67
GND on BOTTOM (solid shape): 9.89,23.54 10.11,23.45 10.19,23.24 10.19,22.25 9.25,22.25 9.25,23.24 9.34,23.45 9.55,23.54
GND on BOTTOM (solid shape): 15.95,25.02 16.09,24.96 16.15,24.82 16.15,24.5 16.09,24.35 15.95,24.3 14.6,24.3 14.6,24.91 14.63,24.99 14.7,25.02
GND on BOTTOM (solid shape): 49.44,21.15 49.79,21 49.94,20.65 49.94,20.55 49.79,20.2 49.44,20.05 47.2,20.05 47.2,21.15
GND on BOTTOM (solid shape): 9.85,27.9 9.99,27.84 10.05,27.7 10.05,25.7 6.9,25.7 6.76,25.76 6.7,25.9 6.7,27.7 6.76,27.84 6.9,27.9
GND on BOTTOM (solid shape): 20.34,18.86 20.48,18.8 20.54,18.66 20.54,18.05 20.48,17.91 20.34,17.85 18.6,17.85 18.6,18.66 18.66,18.8 18.8,18.86
GND on BOTTOM (solid shape): 21.1,27.9 21.24,27.84 21.3,27.7 21.3,25.9 21.24,25.76 21.1,25.7 18.35,25.7 18.35,27.7 18.41,27.84 18.55,27.9
GND on BOTTOM (solid shape): 26,27.9 26.14,27.84 26.2,27.7 26.2,26.45 24.53,26.45 24.39,26.51 24.33,26.66 24.33,27.7 24.39,27.84 24.53,27.9
GND on BOTTOM (solid shape): 16.74,6.13 16.88,6.08 16.94,5.93 16.94,5.08 16.88,4.94 16.74,4.88 16.56,4.88 16.48,4.89 16.42,4.94 16.26,5.09 15.66,5.09 15.66,5.89 16.26,5.89 16.44,6.08 16.51,6.12 16.58,6.13
GND on BOTTOM (solid shape): 29.48,8.12 29.69,8.03 29.78,7.82 29.78,7.25 29.72,7.11 29.58,7.05 29.52,7.05 29.4,7.08 29.31,7.14 29.14,7.31 29.04,7.38 28.92,7.4 27.9,7.4 27.9,8.12
GND on BOTTOM (solid shape): 43.2,27.9 43.41,27.81 43.5,27.6 43.5,26.35 42.67,26.35 42.56,26.37 42.46,26.44 42.06,26.84 41.99,26.94 41.97,27.05 41.97,27.6 42.06,27.81 42.27,27.9
GND on BOTTOM (solid shape): 41.8,22.49 42.01,22.41 42.1,22.19 42.1,21 41.12,21 40.91,21.09 40.82,21.3 40.82,21.57 40.86,21.76 40.97,21.92 41.39,22.35 41.55,22.45 41.74,22.49
GND on BOTTOM (solid shape): 11.38,20.32 11.45,20.29 11.48,20.22 11.48,20.18 11.54,20.04 11.68,19.98 12,19.98 12.14,19.92 12.2,19.78 12.2,19.02 10.85,19.02 10.71,19.08 10.65,19.22 10.65,20.12 10.71,20.26 10.85,20.32
GND on BOTTOM (solid shape): 26.95,5.91 27.17,5.82 27.25,5.61 27.25,5.18 28.99,5.18 29.21,5.09 29.29,4.88 29.29,4.77 29.21,4.56 28.99,4.48 26.26,4.48 26.26,5.61 26.34,5.82 26.56,5.91
P1V2 on BOTTOM (solid shape): 55.15,19 55.36,18.91 55.45,18.7 55.45,18.21 55.36,18 55.15,17.91 53.4,17.91 53.4,19
P1V80 on BOTTOM (solid shape): 52.79,23.08 52.93,23.02 52.99,22.88 52.99,21.09 52.29,21.09 52.22,21.12 52.19,21.19 52.19,21.31 52.17,21.39 52.13,21.45 51.24,22.34 51.18,22.44 51.15,22.56 51.15,22.88 51.21,23.02 51.35,23.08
P1818 on BOTTOM (solid shape): 54.45,20.64 54.66,20.56 54.74,20.34 54.74,19.7 54.66,19.49 54.45,19.4 53.21,19.4 53.21,20.64
P1818_PRE on BOTTOM (solid shape): 51.36,21.1 51.48,21.08 51.57,21.01 51.89,20.7 51.98,20.64 52.1,20.61 52.51,20.61 52.51,19.38 50.94,19.38 50.72,19.47 50.63,19.69 50.63,20.8 50.72,21.01 50.94,21.1
P3333 on BOTTOM (solid shape): 43.57,19.79 43.71,19.73 43.77,19.59 43.77,18.31 43.71,18.17 43.57,18.11 42.15,18.11 42,18.17 41.95,18.31 41.95,19.79
P3333_PRE on BOTTOM (solid shape): 41.25,18.69 39.12,18.69 38.97,18.75 38.91,18.89 38.91,19.67 38.97,19.81 39.12,19.87 41.25,19.87
N478345 on BOTTOM (solid shape): 33.91,27.86 34.09,27.78 34.16,27.61 34.16,26.71 33.23,26.71 33.23,27.02 33.16,27.2 32.98,27.27 29.95,27.27 29.77,27.2 29.7,27.02 29.7,26.7 28.9,26.7 28.9,27.61 28.97,27.78 29.15,27.86

## Text on the board
Ref Des/Silkscreen Top: POF-PSU-C1 | NO POLARITY | PROTECTION | GLPP2024 | ENERGY HARVESTER | PHOTOVOLTAIC CELL
XSECTION_CHART: *  SURFACE | L1 TOP CONDUCTOR | *  DIELECTRIC | L2 GND CONDUCTOR | L3 VCC CONDUCTOR | L4 BOTTOM CONDUCTOR | DESIGN CROSS SECTION CHART | ___________________________ | TOTAL THICKNESS 1.0212 MM | 1-4
DIMENSION: 4 LAYERS PCB STACK, 1.0mm THINKNESS, NO IMPEDANCE MATCH DEMAND. | ANY QUESTIONS PLEASE CONTACT ME: +8613522296239 | FIGURE | FINISHED_SIZE | 0.2 | 0.9 | 1.2 | 1.8 | 2.2 | DRILL CHART: TOP to BOTTOM | ALL UNITS ARE IN MILLIMETERS | PLATED | NON-PLATED | QTY | 380 | 6 | 4 | 398 | TOTAL HOLES:
